# Allegro board MinnowMax_RevA1.brd (continued)
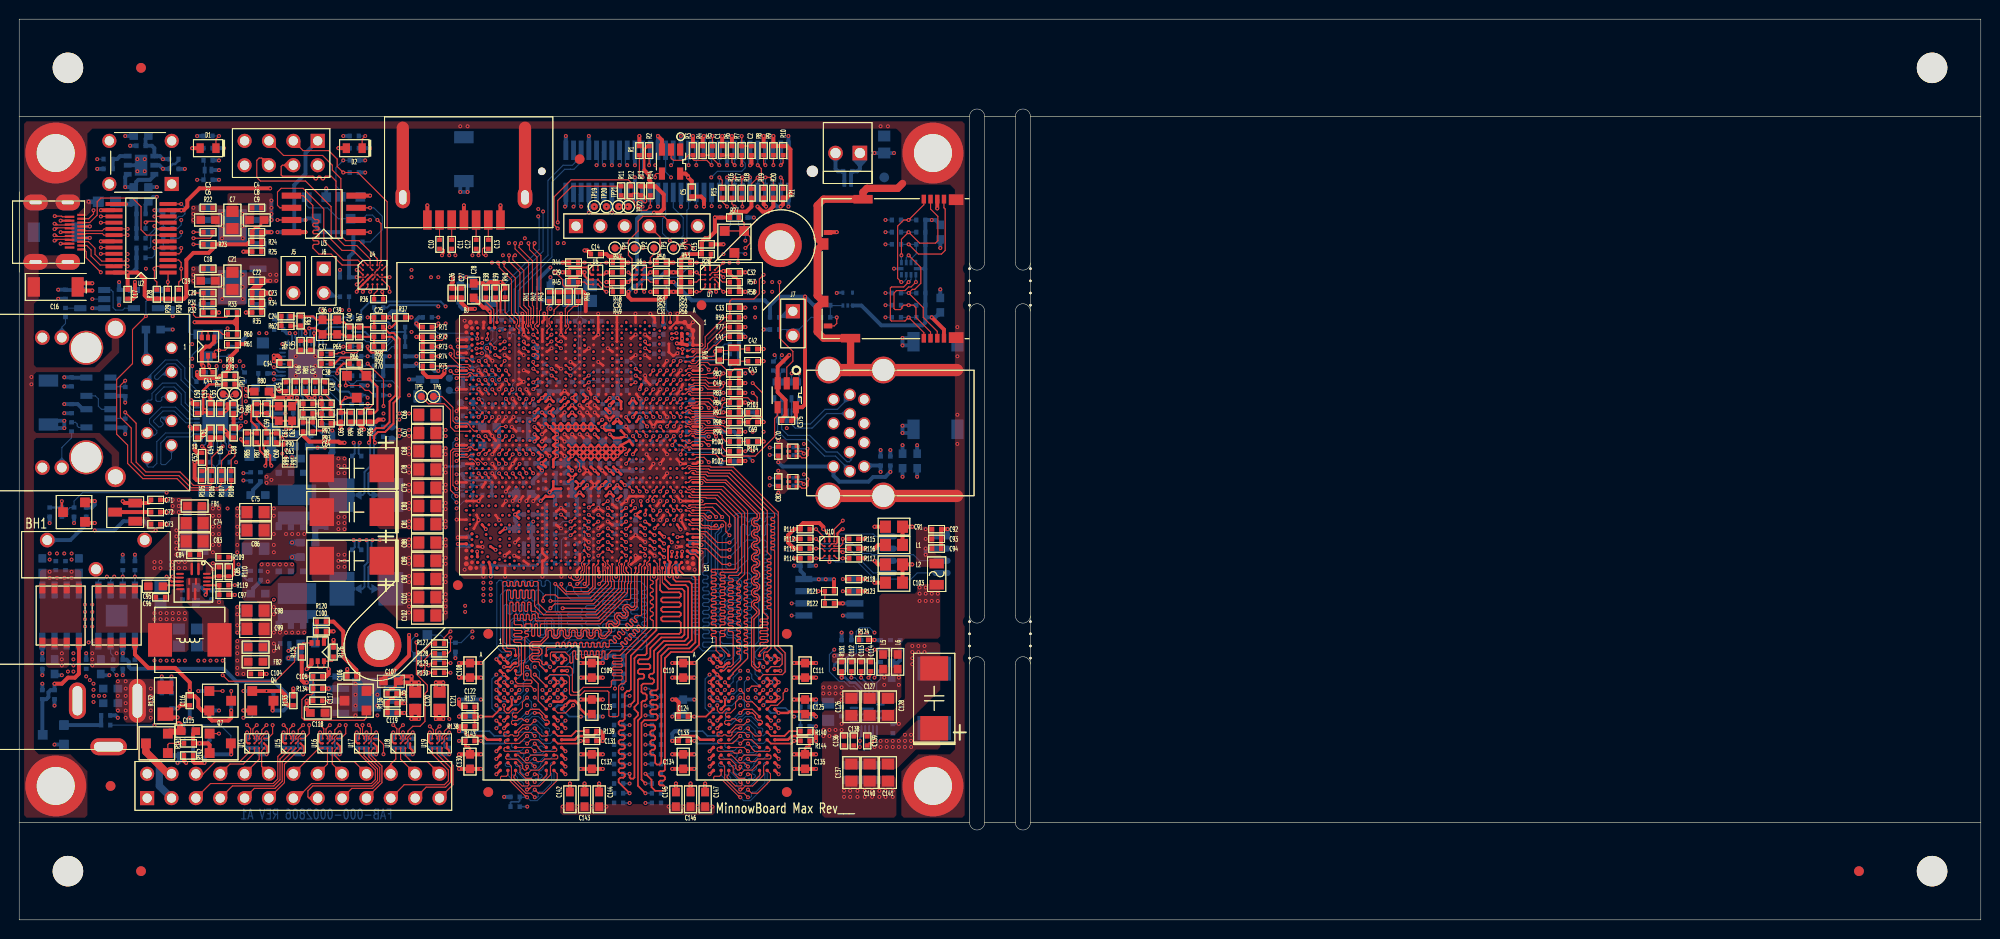
[diagram p0: board, top side]
## Routing (per net, layer and track width the routed paths; a pad name or vN(x,y) marks a point on that pad's centre or on a via; arc(x,y) is an arc through that point) (continued)
HDMI_DCDC_ENB: length 62.7
  TOP w0.114: v1(47.89,56.35) CPU1.BF14
  INT4(H) w0.102: v1(56.77,70.61) 56.01,71.37 54.48,71.37 53.98,71.88 50.8,71.88 50.29,71.37 37.59,71.37 36.7,70.48 20.95,70.48 18.8,72.64 17.27,72.64 v1(16.89,73.03)
  INT8(V) w0.102: v1(56.77,70.61) 56.77,70.23 47.24,60.71 47.24,57 v1(47.89,56.35)
  BOTTOM w0.114: R166.2 16.51,72.14 16.89,72.52 v1(16.89,73.03)
HDMI_DDCCLK: length 87.6
  TOP w0.102: CPU1.C28 v1(68.95,48.55)
  TOP w0.114: U2.2 14.35,68.19 v1(14.1,67.94) 14.1,66.8 14.35,66.55 R28.1
  INT3(V) w0.102: v1(73.41,69.47) 73.03,69.09 73.03,63.12 70.48,60.58 70.48,56.26 69.85,55.63 69.85,49.45 v1(68.95,48.55)
  INT4(H) w0.102: v1(73.41,69.47) 56.13,69.47 55.88,69.72 37.56,69.72 37.18,69.34 24.89,69.34 24.26,68.71 19.94,68.71 19.56,69.09 15.24,69.09 v1(14.1,67.94)
HDMI_DDCDAT: length 86.8
  TOP w0.102: CPU1.C26 69.43,50.01 69.72,49.72 69.97,49.72 69.98,49.73 69.99,49.73 70.17,49.91
  TOP w0.114: U2.3 16.63,68.84 16.88,68.59 16.88,67.98 16.89,67.97 v1(16.89,67.94) 16.89,66.8 16.64,66.55 R30.1 ; v1(71.88,49.53) 71.75,49.53 71.37,49.91 70.17,49.91
  INT3(V) w0.102: v1(71.88,49.53) 70.48,50.93 70.48,55.88 70.74,56.13 70.74,60.33 73.79,63.37 73.79,68.33 v1(74.04,68.58)
  INT4(H) w0.102: v1(16.89,67.94) 17.65,68.71 19.18,68.71 19.56,68.33 24.51,68.33 25.15,68.96 55.75,68.96 55.88,69.09 73.53,69.09 v1(74.04,68.58)
HDMI_HPD: length 79.2
  TOP w0.114: U2.4 16.66,69.49 16.89,69.72 v1(16.89,70.1) ; U39.2 80.01,57.66 80.64,58.29 80.64,59.31 79.25,60.71 v1(79.25,66.55)
  INT4(H) w0.102: v1(16.89,70.1) 19.18,70.1 20.19,69.09 23.88,69.09 24.51,69.72 37.02,69.72 37.49,70.19 58.25,70.19 58.55,70.48 70.48,70.48 70.99,69.98 74.3,69.98 75.69,68.58 77.34,68.58 79.25,66.67 v1(79.25,66.55)
  BOTTOM w0.114: R168.2 v1(16.89,70.1)
HDMI_HPD_B: length 14.6
  TOP w0.102: 69.73,49.34 69.62,49.23 69.37,49.23 69.07,49.53 CPU1.D27
  TOP w0.114: U39.4 79.06,52.64 78.74,52.32 78.74,50.42 76.71,48.39 73.41,48.39 72.65,49.14 70.17,49.14 69.97,49.34 69.73,49.34
HDMI_LDSW_ENB: length 63.3
  TOP w0.114: CPU1.BD16 v1(48.6,55.36)
  INT4(H) w0.102: v1(16.89,71.75) 17.27,72.14 18.67,72.14 20.7,70.1 36.86,70.1 37.75,70.99 50.55,70.99 51.05,71.5 53.72,71.5 54.23,70.99 55.75,70.99 v1(56.13,70.61)
  INT8(V) w0.102: v1(56.13,70.61) 56.13,70.1 46.86,60.83 46.86,56.64 47.62,55.88 48.08,55.88 v1(48.6,55.36)
  BOTTOM w0.114: R167.2 16.64,71.12 16.89,71.37 v1(16.89,71.75)
HDMI_TX0_DN: length 62.4
  TOP w0.102: P1.11 6.53,71.9 8.66,71.9 8.86,72.1 U2.17 v1(11.3,72.1) ; v1(52.32,70.61) 52.1,70.38 52.1,70.18 53.49,68.78 53.49,64.11 53.62,63.98 53.62,62.86 53.56,62.8 CPU1.AR1
  INT7(H) w0.099: v1(52.32,70.61) 52.09,70.84 52.09,71.48 50.9,72.67 50.25,72.67 50,72.41 49.7,72.41 49.44,72.67 48.92,72.67 48.67,72.41 48.41,72.41 48.16,72.67 47.66,72.67 47.41,72.41 47.15,72.41 46.9,72.67 46.4,72.67 46.15,72.41 45.89,72.41 45.64,72.67 45.14,72.67 44.89,72.41 44.63,72.41 44.38,72.67 43.88,72.67 43.63,72.41 43.37,72.41 43.12,72.67 42.62,72.67 42.37,72.41 42.11,72.41 41.86,72.67 41.36,72.67 41.11,72.41 40.85,72.41 40.6,72.67 40.1,72.67 39.85,72.41 39.59,72.41 39.34,72.67 38.84,72.67 38.59,72.41 38.33,72.41 38.08,72.67 37.58,72.67 37.33,72.41 37.07,72.41 36.82,72.67 36.06,72.67 35.81,72.41 35.55,72.41 35.29,72.67 34.8,72.67 34.55,72.41 34.29,72.41 34.03,72.67 33.54,72.67 33.29,72.41 33.03,72.41 32.77,72.67 32.28,72.67 32.03,72.41 31.77,72.41 31.51,72.67 31.02,72.67 30.77,72.41 30.51,72.41 30.25,72.67 25.38,72.67 25.02,73.03 25.02,73.79 24.26,74.55 19.68,74.55 19.11,73.98 19.11,73.09 18.67,72.64 15.68,72.64 15.01,71.97 11.43,71.97 v1(11.3,72.1)
HDMI_TX0_DP: length 62.5
  TOP w0.102: CPU1.AR3 53.37,61.79 53.37,62.07 53.28,62.17 53.28,62.31 53.27,62.31 53.27,62.63 53.34,62.7 53.34,62.98 53.34,63.81 53.08,64.07 53.08,68.61 51.69,70.01 v1(51.69,70.61) ; v1(11.3,71.45) U2.18 8.84,71.45 8.68,71.61 6.53,71.61 6.48,71.56
  INT7(H) w0.099: v1(11.3,71.45) 11.43,71.57 15.18,71.57 15.85,72.24 18.84,72.24 19.52,72.92 19.52,73.81 19.85,74.15 24.09,74.15 24.62,73.62 24.62,72.86 25.21,72.26 30.09,72.26 30.34,72.01 30.93,72.01 31.19,72.26 31.35,72.26 31.6,72.01 32.19,72.01 32.45,72.26 32.61,72.26 32.86,72.01 33.45,72.01 33.71,72.26 33.87,72.26 34.12,72.01 34.71,72.01 34.97,72.26 35.13,72.26 35.38,72.01 35.97,72.01 36.23,72.26 36.65,72.26 36.9,72.01 37.5,72.01 37.75,72.26 37.91,72.26 38.16,72.01 38.76,72.01 39.01,72.26 39.17,72.26 39.42,72.01 40.01,72.01 40.27,72.26 40.43,72.26 40.68,72.01 41.27,72.01 41.53,72.26 41.69,72.26 41.94,72.01 42.53,72.01 42.79,72.26 42.95,72.26 43.2,72.01 43.79,72.01 44.05,72.26 44.21,72.26 44.46,72.01 45.05,72.01 45.31,72.26 45.47,72.26 45.72,72.01 46.31,72.01 46.57,72.26 46.73,72.26 46.98,72.01 47.57,72.01 47.83,72.26 47.99,72.26 48.24,72.01 48.83,72.01 49.09,72.26 49.28,72.26 49.53,72.01 50.16,72.01 50.42,72.26 50.74,72.26 51.69,71.31 v1(51.69,70.61)
HDMI_TX1_DN: length 63.2
  TOP w0.102: v1(51.05,69.34) 51.05,68.71 52.2,67.57 52.2,64.01 52.87,63.34 52.87,62.46 52.87,62.46 52.87,62.23 52.87,62.23 52.87,62.18 52.78,62.1 52.78,61.83 53.08,61.54 CPU1.AT3 ; v1(3.68,71.44) 3.82,71.3 5.2,71.3 P1.8 ; U2.20 v1(8.51,70.14)
  INT3(V) w0.099: v1(8.51,70.14) 6.69,70.14 5.44,71.4 3.72,71.4 v1(3.68,71.44)
  INT7(H) w0.099: v1(8.51,70.14) 8.11,69.74 8.11,69.33 8.34,69.09 10.42,69.09 11.16,69.83 12.3,69.83 12.79,69.34 18.54,69.34 19.43,70.23 24.26,70.23 24.89,70.87 49.53,70.87 v1(51.05,69.34)
HDMI_TX1_DP: length 63.2
  TOP w0.102: v1(51.69,69.34) 51.56,69.34 51.46,69.24 51.46,68.88 52.6,67.73 52.6,64.11 53.07,63.64 53.07,62.23 53.07,62.23 53.07,61.96 CPU1.AT2 ; v1(3.68,70.87) 3.82,71.01 5.2,71.01 P1.6 ; U2.21 v1(8.51,69.49)
  INT3(V) w0.099: v1(3.68,70.87) 3.8,70.99 5.27,70.99 6.52,69.74 8.26,69.74 v1(8.51,69.49)
  INT7(H) w0.099: v1(51.69,69.34) 51.64,69.34 51.35,69.63 51.33,69.63 49.7,71.27 24.72,71.27 24.09,70.63 19.26,70.63 18.37,69.74 12.95,69.74 12.46,70.23 10.99,70.23 10.26,69.49 10.06,69.49 9.96,69.6 9.96,69.88 9.86,69.98 9.7,69.98 9.6,69.88 9.6,69.6 9.5,69.49 9.37,69.49 9.27,69.59 9.27,69.83 9.17,69.93 8.99,69.93 8.89,69.83 8.89,69.59 8.79,69.49 v1(8.51,69.49)
HDMI_TX2_DN: length 62.7
  TOP w0.102: CPU1.AV2 52.18,62.03 52.18,62.95 51.71,63.42 51.71,66.97 50.55,68.14 v1(50.55,68.58) ; v1(11.29,68.84) 11.18,68.73 9.99,68.73 U2.22 9.77,68.73 8.61,68.73 7.9,69.44 7.9,70.08 7.22,70.76 6.48,70.76 P1.5
  INT7(H) w0.099: v1(11.29,68.84) 11.29,68.83 11.52,68.6 12.57,68.6 12.82,68.85 18.84,68.85 19.36,68.34 19.36,67.3 19.46,67.21 19.94,67.21 20.04,67.3 20.04,68.76 20.49,69.22 21.03,69.22 21.42,68.83 21.62,68.83 22.01,69.22 22.55,69.22 22.93,68.83 23.14,68.83 23.52,69.22 24.06,69.22 24.45,68.83 24.75,68.83 25.14,69.22 25.68,69.22 26.06,68.83 26.29,68.83 26.39,68.94 26.39,69.87 26.77,70.25 27.41,70.25 27.79,69.87 28,69.87 28.38,70.25 29.07,70.25 29.45,69.87 29.66,69.87 30.04,70.25 30.58,70.25 30.96,69.87 31.17,69.87 31.55,70.25 32.1,70.25 32.48,69.87 32.69,69.87 33.07,70.25 33.61,70.25 33.99,69.87 34.2,69.87 34.58,70.25 35.12,70.25 35.5,69.87 35.71,69.87 36.09,70.25 36.64,70.25 37.02,69.87 37.23,69.87 37.61,70.25 38.15,70.25 38.53,69.87 38.74,69.87 39.12,70.25 39.66,70.25 40.05,69.87 40.25,69.87 40.64,70.25 41.18,70.25 41.56,69.87 41.77,69.87 42.15,70.25 42.69,70.25 43.07,69.87 43.28,69.87 43.66,70.25 49.13,70.25 49.93,69.45 49.93,69.19 50.17,68.96 50.42,68.96 50.55,68.83 v1(50.55,68.58)
HDMI_TX2_DP: length 62.7
  TOP w0.102: v1(49.91,68.58) 50.04,68.45 50.04,68.07 51.31,66.8 51.31,63.25 51.94,62.61 51.94,62.23 51.79,62.08 51.79,61.85 52.1,61.54 CPU1.AV3 ; v1(11.3,68.19) 11.17,68.33 10.01,68.33 U2.23 9.75,68.33 8.44,68.33 7.49,69.27 7.49,69.91 7.05,70.36 P1.3
  INT7(H) w0.099: v1(11.3,68.19) 12.74,68.19 12.99,68.45 18.68,68.45 18.95,68.17 18.95,67.14 19.29,66.8 20.11,66.8 20.45,67.14 20.45,68.6 20.66,68.81 20.87,68.81 21.25,68.43 21.79,68.43 22.17,68.81 22.38,68.81 22.76,68.43 23.3,68.43 23.69,68.81 23.89,68.81 24.28,68.43 24.92,68.43 25.3,68.81 25.51,68.81 25.89,68.43 26.45,68.43 26.8,68.77 26.8,69.71 26.94,69.85 27.24,69.85 27.62,69.47 28.17,69.47 28.55,69.85 28.9,69.85 29.28,69.47 29.82,69.47 30.21,69.85 30.41,69.85 30.8,69.47 31.34,69.47 31.72,69.85 31.93,69.85 32.31,69.47 32.85,69.47 33.23,69.85 33.44,69.85 33.82,69.47 34.37,69.47 34.75,69.85 34.96,69.85 35.34,69.47 35.88,69.47 36.26,69.85 36.47,69.85 36.85,69.47 37.39,69.47 37.78,69.85 37.98,69.85 38.36,69.47 38.91,69.47 39.29,69.85 39.5,69.85 39.88,69.47 40.42,69.47 40.8,69.85 41.01,69.85 41.39,69.47 41.94,69.47 42.32,69.85 42.53,69.85 42.91,69.47 43.45,69.47 43.83,69.85 48.96,69.85 49.53,69.28 49.53,69.02 49.91,68.64 v1(49.91,68.58)
HOOK0: length 2.9
  TOP w0.114: R15.2 73.28,77.17 v1(72.98,77.47)
  BOTTOM w0.114: J10.41 v1(72.98,77.47)
HOOK1: length 3.9
  TOP w0.114: R4.2 R5.1 72.26,79.46 v1(72.98,78.74)
  BOTTOM w0.114: J10.42 v1(72.98,78.74)
HOOK2: length 2.9
  TOP w0.114: R16.2 74.3,77.18 v1(74.58,77.47)
  BOTTOM w0.114: J10.45 v1(74.58,77.47)
HOOK4: length 3
  TOP w0.114: R18.2 76.33,76.8 v1(76.98,77.45)
  BOTTOM w0.114: J10.51 v1(76.98,77.45)
HOOK5: length 3.4
  TOP w0.114: v1(77.78,77.47) 78.23,77.47 78.61,77.09 R20.2
  BOTTOM w0.114: J10.53 v1(77.78,77.47)
HOOK6: length 2.8
  TOP w0.114: R17.2 75.31,77.4 v1(75.38,77.47)
  BOTTOM w0.114: J10.47 v1(75.38,77.47)
HPD_ENB: length 9
  TOP w0.114: U2.12 v1(16.89,74.7)
  BOTTOM w0.114: R171.2 13.59,70.1 13.72,70.23 13.72,71.25 14.61,72.14 R166.1 15.02,72.68 15.24,72.9 16.13,72.9 16.64,73.41 17.02,73.41 17.27,73.66 17.27,74.32 v1(16.89,74.7)
HSIN: length 2.3
  BOTTOM w0.102: LAN1.14 21.05,54 21.05,55.76 C207.1
HSIP: length 2.3
  BOTTOM w0.102: LAN1.13 20.65,55.97 C208.1
HSON: length 3.8
  BOTTOM w0.102: C205.1 23.37,56.04 23.37,55.69 23.11,55.43 23.11,53.47 22.72,53.07 LAN1.18
HSOP: length 3.7
  BOTTOM w0.102: C206.1 22.64,56.33 22.86,56.33 22.96,56.23 22.96,55.85 22.71,55.6 22.71,53.64 22.55,53.48 22.38,53.48 LAN1.17
I2C5_SCL: length 32.9
  TOP w0.114: U17.A3 35.44,19.29 35.56,19.4 35.56,19.94 v1(35.18,20.32)
  INT8(V) w0.102: v1(35.18,20.32) 35.56,20.7 35.56,22.61 37.08,24.13 37.97,24.13 45.38,31.53 45.38,41.06 45.97,41.65 45.97,42.55 v1(45.59,42.93)
  BOTTOM w0.102: v1(45.59,42.93) 46.35,43.69 46.99,43.69 47.21,43.91 R270.2 R267.1
I2C5_SDA: length 34.7
  TOP w0.114: v1(35.79,20.32) 35.79,19.29 35.95,19.13 35.95,18.91
  INT8(V) w0.102: v1(45.59,43.56) 46.23,42.93 46.23,39.12 45.59,38.48 45.59,31.37 38.1,23.88 37.21,23.88 35.79,22.45 v1(35.79,20.32)
  BOTTOM w0.102: R266.1 R269.2 47.21,44.92 47.12,44.83 46.04,44.83 45.78,44.58 45.34,44.58 45.09,44.32 45.09,44.07 v1(45.59,43.56)
I2C6_SCL: length 6.1
  TOP w0.114: v1(64.98,74.42) 64.89,74.33 64.73,74.33 64.4,74.67 64.4,74.94 64.52,75.06 64.9,75.06 65.13,74.82 65.3,74.82 65.41,74.93 65.41,75.09 65.27,75.23 65.27,75.48 65.16,75.6 R13.1 64.55,75.82 63.97,75.82 R12.2
  BOTTOM w0.114: v1(64.98,74.42) J10.21
I2C6_SDA: length 6.7
  TOP w0.114: R14.1 v1(65.79,74.42) 65.41,74.04 64.64,74.04 64.14,74.55 64.14,74.93 63.88,75.19 63.15,75.19 R11.2
  BOTTOM w0.114: v1(65.79,74.42) 65.79,75.9 J10.23
I2S_CLK_R: length 21.2
  TOP w0.114: U16.A3 31.63,19.29 31.75,19.4 31.75,19.94 v1(31.37,20.32) ; R127.1 42.93,28.83 41.91,27.81 v1(41.91,26.54)
  INT8(V) w0.102: v1(31.37,20.32) 31.88,20.83 34.29,20.83 34.54,20.57 34.54,20.19 34.84,19.9 36.54,19.9 36.83,20.19 36.83,20.45 36.58,20.7 36.58,22.35 37.21,22.99 37.85,22.99 39.24,24.38 41.02,24.38 41.27,24.64 41.27,25.91 v1(41.91,26.54)
I2S_DATIN_R: length 18.7
  TOP w0.114: v1(41.91,25.78) 42.29,26.16 42.29,27.18 42.93,27.81 R128.1 ; v1(34.04,20.32) 34.04,19.43 33.52,18.91 U16.D3
  INT3(V) w0.102: v1(34.04,20.32) 34.04,19.3 34.42,18.92 37.21,18.92 38.48,20.19 38.48,23.5 40.77,25.78 v1(41.91,25.78)
I2S_DATOUT_R: length 16.4
  TOP w0.114: R130.1 v1(42.67,25.78) ; v1(33.4,20.32) 32.89,19.81 32.89,19.39 32.63,19.13 U16.C3
  INT8(V) w0.102: v1(42.67,25.78) 42.67,25.27 41.53,24.13 39.62,24.13 36.83,21.34 36.83,20.83 37.11,20.55 37.11,19.97 36.32,19.18 34.54,19.18 v1(33.4,20.32)
I2S_FRM_R: length 19.2
  TOP w0.114: v1(32.38,20.32) 31.98,19.91 31.98,19.29 32.14,19.13 32.14,18.91 ; v1(42.67,26.54) 42.93,26.8 R129.1
  INT8(V) w0.102: v1(42.67,26.54) 43.18,26.04 43.18,25.15 41.27,23.24 39.75,23.24 37.59,21.08 37.59,19.43 37.08,18.92 33.27,18.92 32.89,19.3 32.89,19.81 v1(32.38,20.32)
I2SCLK_GPIO: length 4.2
  TOP w0.114: JP1.14 31.25,17.92 U16.A1
I2SDI_GPIO: length 5
  TOP w0.114: U16.D1 32.89,17.67 32.89,17.14 33.53,16.51 34.92,16.51 JP1.20
I2SDO_GPIO: length 3.1
  TOP w0.114: U16.C1 32.63,16.26 JP1.18
I2SFRM_GPIO: length 3.1
  TOP w0.114: JP1.16 32.14,16.26 32.14,17.92
ICLK_DRAM_TERMN0: length 1.3
  TOP w0.114: v1(56.48,42.29) CPU1.AH42
  BOTTOM w0.102: R273.2 v1(56.48,42.29)
ICLK_DRAM_TERMN1: length 2.3
  TOP w0.114: CPU1.AF42 v1(57.47,41.56)
  BOTTOM w0.102: v1(57.47,41.56) 56.67,41.56 56.39,41.27 R274.2
ICLK_ICOMP: length 1.7
  TOP w0.114: CPU1.AD14 v1(59.37,56.08)
  BOTTOM w0.102: v1(59.37,56.08) 59.55,56.26 R215.1
ICLK_RCOMP: length 1.8
  TOP w0.114: CPU1.AD13 v1(59.37,56.79)
  BOTTOM w0.102: R214.1 59.86,57.28 v1(59.37,56.79)
ICLK_SATA_TERMN: length 9.4
  TOP w0.114: R74.2 v1(43.69,58.8) ; CPU1.BC10 v1(50.02,57.34)
  INT4(H) w0.102: v1(50.02,57.34) 49.68,57 47.27,57 46.1,58.17 44.96,58.17 43.82,59.3 43.68,59.3 43.51,59.13 43.51,58.98 v1(43.69,58.8)
ICLK_SATA_TERMP: length 9.3
  TOP w0.114: R73.2 v1(43.69,59.82) ; v1(50.61,58.33) CPU1.BB10
  INT4(H) w0.102: v1(50.61,58.33) 49.97,57.7 46.95,57.7 46.23,58.42 45.09,58.42 v1(43.69,59.82)
ICLK_USB_TERM_0: length 6
  TOP w0.114: CPU1.D10 v1(68.94,58.33)
  BOTTOM w0.114: R187.2 73.53,59.06 72.81,58.33 v1(68.94,58.33)
ICLK_USB_TERM_1: length 7.2
  TOP w0.114: CPU1.F10 v1(68.23,58.33)
  BOTTOM w0.114: R186.2 73.53,60.07 72.16,58.69 68.59,58.69 v1(68.23,58.33)
ILB_8254_GPIO: length 5.1
  TOP w0.114: U18.C1 40.26,17.15 40.89,16.51 42.55,16.51 JP1.26
ILB_8254_SPKR: length 42.7
  TOP w0.102: CPU1.BH12 46.81,56.64 45.72,56.64 v1(45.59,56.52)
  TOP w0.114: v1(41.4,28.96) 41.4,25.63 42.55,24.49 42.55,23.88 42.29,23.62 42.29,20.7 41.78,20.19 41.02,20.19 40.51,19.69 40.51,19.39 40.26,19.13 U18.C3
  INT8(V) w0.102: v1(41.4,28.96) 43.69,31.24 43.69,54.61 v1(45.59,56.52)
ILB_RTC_TESTB: length 33.5
  TOP w0.102: 71.75,57.53 71.37,57.91 71.12,57.91 70.8,57.59 70.06,57.59 69.97,57.5 69.69,57.5 CPU1.C11
  TOP w0.114: 71.75,57.53 v1(71.88,57.4) ; v1(75.31,81.79) R7.1 C2.2
  INT8(V) w0.102: v1(72.14,77.47) 72.64,76.96 72.64,74.17 72.01,73.53 72.01,69.85 71.25,69.09 71.25,61.72 71.88,61.09 v1(71.88,57.4)
  BOTTOM w0.114: v1(75.31,81.79) 75.31,80.37 J10.48 75.44,80.25 75.44,79.18 75.69,78.94 75.69,78.48 75.31,78.1 72.77,78.1 v1(72.14,77.47)
ISOLATEB: length 5.8
  TOP w0.114: v1(23.11,52.32) 23.24,52.45 23.24,55.5 22.86,55.88 R79.1 R78.1
  BOTTOM w0.114: v1(23.11,52.32) 22.99,52.32 22.93,52.27 LAN1.20
ISUMN: length 2.7
  BOTTOM w0.203: U27.17 29.25,54.83 29.59,54.48 R249.1 R250.1
ISUMN_RC: length 1.1
  BOTTOM w0.203: C229.1 29.59,51.85 R249.2
ISUMNG: length 3.2
  TOP w0.203: R62.1 29.3,61.98 R63.1 29.84,61.5 v1(29.84,61.21)
  BOTTOM w0.203: v1(29.84,61.21) 29.84,60.96 30.04,60.76 U27.36
ISUMNG_RC: length 1
  TOP w0.203: C24.1 R62.2
ISUMP_R: length 22.1
  TOP w0.203: R85.1 23.33,49.82 23.11,50.04 v1(23.11,50.17)
  INT7(H) w0.203: v1(35.5,39.62) 35.5,39.53 34.83,38.86 32.45,38.86 26.76,44.55 25.61,44.55 24.64,45.53 24.64,49.96 24.43,50.17 v1(23.11,50.17)
  BOTTOM w0.203: v1(35.5,39.62) 35.38,39.51 35.38,38.88 R285.2
ISUMPG_R: length 16.7
  TOP w0.203: R70.1 37.94,59.39 37.74,59.18 36.7,59.18 36.32,59.56 v1(36.32,59.82)
  INT8(V) w0.203: v1(36.32,59.82) 36.37,59.87 36.37,60.5 36.17,60.71 35.63,60.71 35.38,60.46 35.38,49.9 v1(35.5,49.78)
  BOTTOM w0.203: v1(35.5,49.78) 35.38,49.67 35.38,48.66 R262.2
LAN_ACTIVE-: length 3.9
  TOP w0.114: R106.1 20.07,48.26 v1(21.21,49.4)
  BOTTOM w0.114: LAN1.27 21.05,49.57 v1(21.21,49.4)
LAN_CLKREQ2_B: length 37.4
  TOP w0.102: CPU1.BG5 v1(48.26,60.2)
  TOP w0.114: v1(43.69,62.23) 43.69,61.98 43.56,61.85 R71.1
  INT4(H) w0.102: v1(43.69,62.23) 44.07,61.85 47.24,61.85 48.26,60.83 v1(48.26,60.2)
  INT7(H) w0.102: v1(18.03,57.78) 19.28,59.03 21.08,59.03 21.46,59.41 21.46,60.2 22.86,61.59 24.38,61.59 25.02,62.23 40.89,62.23 41.4,62.74 43.18,62.74 v1(43.69,62.23)
  BOTTOM w0.114: v1(18.03,57.78) 18.03,56.61 R232.1
LAN_CREQ: length 2.5
  BOTTOM w0.114: LAN1.12 20.25,54.94 19.43,55.75 R231.2
LAN_RSET: length 4.3
  TOP w0.114: v1(19.05,49.4) 19.18,49.4 19.56,49.02 19.56,46.99 19.4,46.83 R105.2
  BOTTOM w0.114: v1(19.05,49.4) 19.18,49.4 19.45,49.67 LAN1.31
LAN_XTAL1: length 6.6
  BOTTOM w0.114: Y3.3 20.69,44.77 20.57,44.88 20.57,47.34 C252.1 20.92,47.82 R264.2 20.65,49.04 LAN1.28
LAN_XTAL2: length 6.5
  BOTTOM w0.114: LAN1.29 20.25,49.04 R264.1 19.97,47.82 C253.1 20.32,47.34 20.32,45.71 20.21,45.59 19.46,45.59 19.35,45.71 Y3.1
LED1-LINK: length 3.9
  TOP w0.114: v1(21.97,48.77) 21.08,47.88 R107.1
  BOTTOM w0.114: LAN1.26 21.45,49.8 21.59,49.66 21.59,49.15 v1(21.97,48.77)
LED2-LINK: length 3.7
  TOP w0.114: R108.1 22.1,48.01 22.48,48.39 22.48,48.89 v1(21.97,49.4)
  BOTTOM w0.114: LAN1.25 21.85,49.53 v1(21.97,49.4)
LED_100_10: length 3.5
  BOTTOM w0.114: U30.1 8.58,53.27 8.26,53.59 8.26,54.36 7.93,54.68 U28.4
LED_1000: length 5
  BOTTOM w0.114: U25.4 10.99,63.82 10.79,63.63 10.03,63.63 9.78,63.88 9.78,65.53 9.59,65.72 U26.1
LED_LEFT: length 2.3
  BOTTOM w0.114: R207.2 4.83,62.23 4.45,61.85 J8.D1
LED_RIGHT: length 4.2
  BOTTOM w0.114: J8.D3 4.45,49.28 5.46,50.29 R252.2
LGATE1: length 23.8
  INT3(V) w0.406: 27.18,54.61 27.81,55.25 ; 27.18,57.66 v1(26.54,57.66)
  INT3(V) w0.635: 27.18,54.61 27.05,54.48 27.05,50.8 26.8,50.55 26.8,48.01 27.18,47.62 27.18,39.12 v1(28.45,37.85) ; 27.81,55.25 27.81,57.02 27.18,57.66
  BOTTOM w0.203: v1(26.54,57.66) 27.02,57.19 U27.24
  BOTTOM w0.635: R286.1 v1(28.45,37.85)
LGATE1_R: length 1.5
  BOTTOM w0.635: R286.2 U34.8
LGATEG: length 15.4
  INT3(V) w0.635: v1(28.45,48.26) 28.96,48.77 28.96,52.96 29.59,53.59 29.59,58.93 28.96,59.56 27.94,59.56 v1(27.43,60.07)
  BOTTOM w0.203: U27.31 27.55,60.19 v1(27.43,60.07)
  BOTTOM w0.635: v1(28.45,48.26) 28.57,48.13 R263.1
LGATEG_R: length 1.5
  BOTTOM w0.635: R263.2 U31.8
LINK-GIGALED: length 34.2
  TOP w0.114: R108.2 22.1,45.34 21.59,44.83 17.65,44.83 16.45,46.04 12.89,46.04 11.3,47.62 11.3,49.53 10.16,50.67 10.16,56.39 11.81,58.04 11.81,61.59 v1(13.21,62.99)
  BOTTOM w0.114: C166.2 14.49,64.74 U25.2 13.46,64.77 13.21,64.52 v1(13.21,62.99)
LINK-LED: length 22.5
  TOP w0.114: R107.2 21.08,45.47 20.7,45.08 17.91,45.08 16.64,46.36 13.08,46.36 11.68,47.75 11.68,51.31 10.54,52.45 10.54,55.75 v1(11.05,56.26)
  BOTTOM w0.114: v1(11.05,56.26) C209.2 11.02,55.63 U28.2
LPC_RCOMP: length 1.7
  TOP w0.114: CPU1.BF18 v1(47.89,54.37)
  BOTTOM w0.114: R241.1 48.42,54.24 48.29,54.37 v1(47.89,54.37)
LPCPD_L: length 3.6
  TOP w0.114: CPU1.G18 v1(67.53,54.37)
  BOTTOM w0.102: v1(67.53,54.37) 68.02,54.86 69.47,54.86 TP7.1
LPE_I2S_CLK: length 22
  TOP w0.114: R127.2 44.29,29.43 v1(44.96,30.1) ; CPU1.BF28 48.03,48.71 v1(47.89,48.58)
  INT8(V) w0.102: v1(44.96,30.1) 46.09,31.23 46.09,38.22 46.48,38.61 46.48,47.17 v1(47.89,48.58)
LPE_I2S_DATIN: length 23.4
  TOP w0.114: CPU1.BD28 49.02,49.01 v1(48.6,48.58) ; R128.2 44.7,27.81 44.96,28.07 v1(44.96,29.46)
  INT8(V) w0.102: v1(44.96,29.46) 46.86,31.37 46.86,46.1 48.26,47.5 48.26,48.23 v1(48.6,48.58)
LPE_I2S_DATOUT: length 30.1
  TOP w0.114: R130.2 v1(44.96,25.78) ; CPU1.BC30 v1(50.02,47.59)
  INT8(V) w0.102: v1(44.96,25.78) 44.45,26.29 44.45,27.43 46.61,29.59 46.61,30.35 47.12,30.86 47.12,43.94 49.43,46.25 49.45,46.25 49.66,46.45 49.66,46.48 49.66,46.48 49.66,47.22 v1(50.02,47.59)
  BOTTOM w0.102: v1(50.02,47.59) 49.43,46.99 47.37,46.99 47.21,47.15 R260.1 R259.2
LPE_I2S_FRM: length 29
  TOP w0.114: R129.2 v1(44.96,26.8) ; CPU1.BA30 v1(50.73,47.59)
  INT8(V) w0.102: v1(50.73,47.59) 50.73,47.56 50.37,47.19 50.37,46.43 48.39,44.45 48.13,44.45 47.37,43.69 47.37,30.73 46.86,30.23 46.86,29.46 44.96,27.56 v1(44.96,26.8)
  BOTTOM w0.102: R268.1 47.46,46.23 49.53,46.23 49.67,46.37 49.67,46.74 50.16,47.23 50.38,47.23 v1(50.73,47.59)
LS_OE: length 5.2
  TOP w0.114: v1(14.1,70.1) 15.48,70.1 U2.5
  BOTTOM w0.114: R167.1 R168.1 v1(14.1,70.1) 14.1,69.34 13.84,69.09 R172.2
LSENB: length 1.7
  TOP w0.114: R52.1 65.79,66.55 65.53,66.81 U6.C2
LSS_OE1: length 2.1
  TOP w0.089: 36.69,18.66 36.69,19.04
  TOP w0.114: 36.69,19.04 v1(37.21,19.56) ; U17.C2 36.69,18.66
  BOTTOM w0.114: R336.2 v1(37.21,19.56)
LSS_OE2: length 2.1
  TOP w0.089: 29.07,18.66 29.07,19.04
  TOP w0.114: U15.C2 29.07,18.66 ; 29.07,19.04 v1(29.59,19.56)
  BOTTOM w0.114: R338.2 v1(29.59,19.56)
LSS_OE3: length 2.1
  TOP w0.089: 44.31,18.66 44.31,19.04
  TOP w0.114: U19.C2 44.31,18.66 ; 44.31,19.04 v1(44.83,19.56)
  BOTTOM w0.114: R334.2 v1(44.83,19.56)
LSS_OE4: length 2.1
  TOP w0.089: 40.5,18.66 40.5,19.04
  TOP w0.114: 40.5,19.04 v1(41.02,19.56) ; U18.C2 40.5,18.66
  BOTTOM w0.114: R335.2 v1(41.02,19.56)
LSS_OE5: length 2.1
  TOP w0.089: 32.88,18.66 32.88,19.04
  TOP w0.114: 32.88,19.04 v1(33.4,19.56) ; U16.C2 32.88,18.66
  BOTTOM w0.114: R337.2 v1(33.4,19.56)
M_A_DRAMRST_L: length 38.9
  TOP w0.173: v1(64.2,42.98) CPU1.P41
  INT3(V) w0.157: v1(64.2,42.98) 64.01,42.76 63.88,42.62 63.88,31.11 63.25,30.48 63.25,25.82 61.72,24.29 61.72,17.56 55.97,11.81 v1(52.96,11.81)
  BOTTOM w0.173: R353.1 v1(52.96,11.81)
M_A_RST_L: length 46.4
  TOP w0.102: MEM1.T2 50.94,15.14 50.79,14.99 50.27,14.99 50.16,14.88 50.16,14.71 50.27,14.61 51.05,14.61 52.87,12.79 v1(52.94,12.79) ; v1(75.16,12.79) 75.09,12.79 73.28,14.61 72.49,14.61 72.39,14.71 72.39,14.88 72.49,14.99 73.01,14.99 73.16,15.14 MEM2.T2
  INT4(H) w0.157: v1(52.94,12.79) 54.43,11.3 73.68,11.3 v1(75.16,12.79)
  BOTTOM w0.102: MEM3.T2 77.97,14.19 76.21,12.43 75.52,12.43 v1(75.16,12.79) ; v1(52.94,12.79) 53.3,12.43 53.99,12.43 55.74,14.19 MEM4.T2
  BOTTOM w0.173: R353.2 51.21,12.23 51.31,12.32 52.07,12.32 52.16,12.41 C374.2 52.2,12.79 v1(52.94,12.79)
M_BS_A0: length 70.4
  TOP w0.102: v1(75.16,19.19) 74.39,18.41 72.91,18.41 72.81,18.52 72.81,18.69 72.91,18.79 MEM2.M2 ; MEM1.M2 50.68,18.79 50.58,18.69 50.58,18.52 50.68,18.41 52.16,18.41 v1(52.94,19.19)
  TOP w0.173: CPU1.K47 v1(66.23,39.42)
  INT4(H) w0.157: v1(52.94,19.19) 53.34,18.79 54.61,18.79 54.99,19.18 55.37,19.18 55.76,18.79 56.24,18.79 56.63,19.18 57.02,19.18 57.41,18.79 57.91,18.79 58.29,19.18 58.8,19.18 59.19,18.79 59.69,18.79 60.07,19.18 63.5,19.18 v1(63.63,19.3) 64.26,19.3 64.77,18.8 66.67,18.8 67.07,19.19 v1(75.16,19.19)
  INT8(V) w0.102: 66.55,37.47 66.57,37.49 66.57,39.08 v1(66.23,39.42)
  INT8(V) w0.157: 66.55,37.47 66.55,35.51 66.69,35.37 66.91,35.37 67.06,35.22 67.06,35.02 66.91,34.87 66.69,34.87 66.55,34.73 66.55,34.52 66.69,34.38 66.91,34.38 67.06,34.23 67.06,34.03 66.91,33.88 66.69,33.88 66.55,33.74 66.55,33.53 66.69,33.39 66.91,33.39 67.06,33.24 67.06,33.04 66.91,32.89 66.69,32.89 66.55,32.75 66.55,32.54 66.69,32.4 66.91,32.4 67.06,32.25 67.06,32.05 66.91,31.9 66.69,31.9 66.55,31.76 66.55,31.55 66.69,31.41 66.91,31.41 67.06,31.26 67.06,31.06 66.91,30.91 66.69,30.91 66.55,30.77 66.55,30.56 66.69,30.42 66.91,30.42 67.06,30.27 67.06,30.07 66.91,29.92 66.69,29.92 66.55,29.78 66.55,29.57 66.69,29.43 67.67,29.43 67.82,29.28 67.82,29.08 67.67,28.93 66.69,28.93 66.55,28.79 66.55,28.58 66.69,28.43 67.67,28.43 67.82,28.29 67.82,28.08 67.67,27.94 66.69,27.94 66.55,27.79 66.55,27.59 66.69,27.44 66.91,27.44 67.06,27.3 67.06,27.09 66.91,26.95 66.69,26.95 66.55,26.8 66.55,26.54 66.67,26.42 66.93,26.42 67.06,26.29 67.06,25.82 66.38,25.15 65.02,25.15 64.5,24.62 64.5,20.12 63.68,19.3 v1(63.63,19.3)
  BOTTOM w0.102: v1(52.94,19.19) 53.33,18.8 53.98,18.8 54.36,18.41 55.37,18.41 55.74,18.78 MEM4.M2 ; MEM3.M2 77.97,18.78 77.6,18.41 76.58,18.41 76.2,18.8 75.56,18.8 v1(75.16,19.19)
  BOTTOM w0.173: R330.1 v1(63.63,19.3)
M_BS_A1: length 70.7
  TOP w0.102: MEM1.N8 55.81,17.92 55.93,17.92 56.04,17.82 56.04,17.68 55.93,17.58 54.44,17.58 54.1,17.92 54.1,18.03 v1(53.74,18.39) ; MEM2.N8 78.03,17.92 78.16,17.92 78.26,17.82 78.26,17.68 78.16,17.58 76.67,17.58 76.33,17.92 76.33,18.03 v1(75.97,18.39)
  TOP w0.173: CPU1.K44 v1(65.24,41.56)
  INT7(H) w0.157: v1(75.97,18.39) 75.57,17.99 74.85,17.99 74.18,18.66 72.89,18.66 72.39,18.16 72.01,18.16 71.5,18.67 71.12,18.67 70.61,18.16 67.94,18.16 67.44,18.67 65.91,18.67 v1(65.28,19.3) 64.77,18.8 62.48,18.8 61.68,17.99 54.14,17.99 v1(53.74,18.39)
  INT8(V) w0.102: v1(65.24,41.56) 65.79,41.01 65.79,40.77 66.05,40.5 66.43,40.5 66.8,40.13 66.8,37.72 66.87,37.66
  INT8(V) w0.157: 66.87,37.66 67.31,37.21 67.31,35.69 68.19,34.81 68.19,34.61 68.04,34.46 67.58,34.46 67.44,34.32 67.44,34.11 67.58,33.97 68.05,33.97 68.2,33.82 68.2,33.62 68.05,33.47 67.58,33.47 67.44,33.33 67.44,33.12 67.58,32.97 68.05,32.97 68.2,32.83 68.2,32.62 68.05,32.48 67.58,32.48 67.44,32.33 67.44,32.13 67.58,31.98 68.05,31.98 68.2,31.84 68.2,31.63 68.05,31.49 67.58,31.49 67.44,31.34 67.44,31.14 67.58,30.99 68.05,30.99 68.2,30.85 68.2,30.64 68.05,30.5 67.58,30.5 67.44,30.35 67.44,30.15 67.58,30 68.05,30 68.2,29.86 68.2,27.69 67.56,27.05 67.56,25.65 66.67,24.77 65.28,24.77 64.87,24.35 64.87,19.72 v1(65.28,19.3)
  BOTTOM w0.102: v1(75.97,18.39) 75.57,18 74.89,18 74.55,17.65 73.5,17.65 MEM3.N8 ; MEM4.N8 51.28,17.65 52.32,17.65 52.67,18 53.35,18 v1(53.74,18.39)
  BOTTOM w0.173: R328.1 v1(65.28,19.3)
